# KiCad board jetson-agx-thor-baseboard.kicad_pcb (continued)
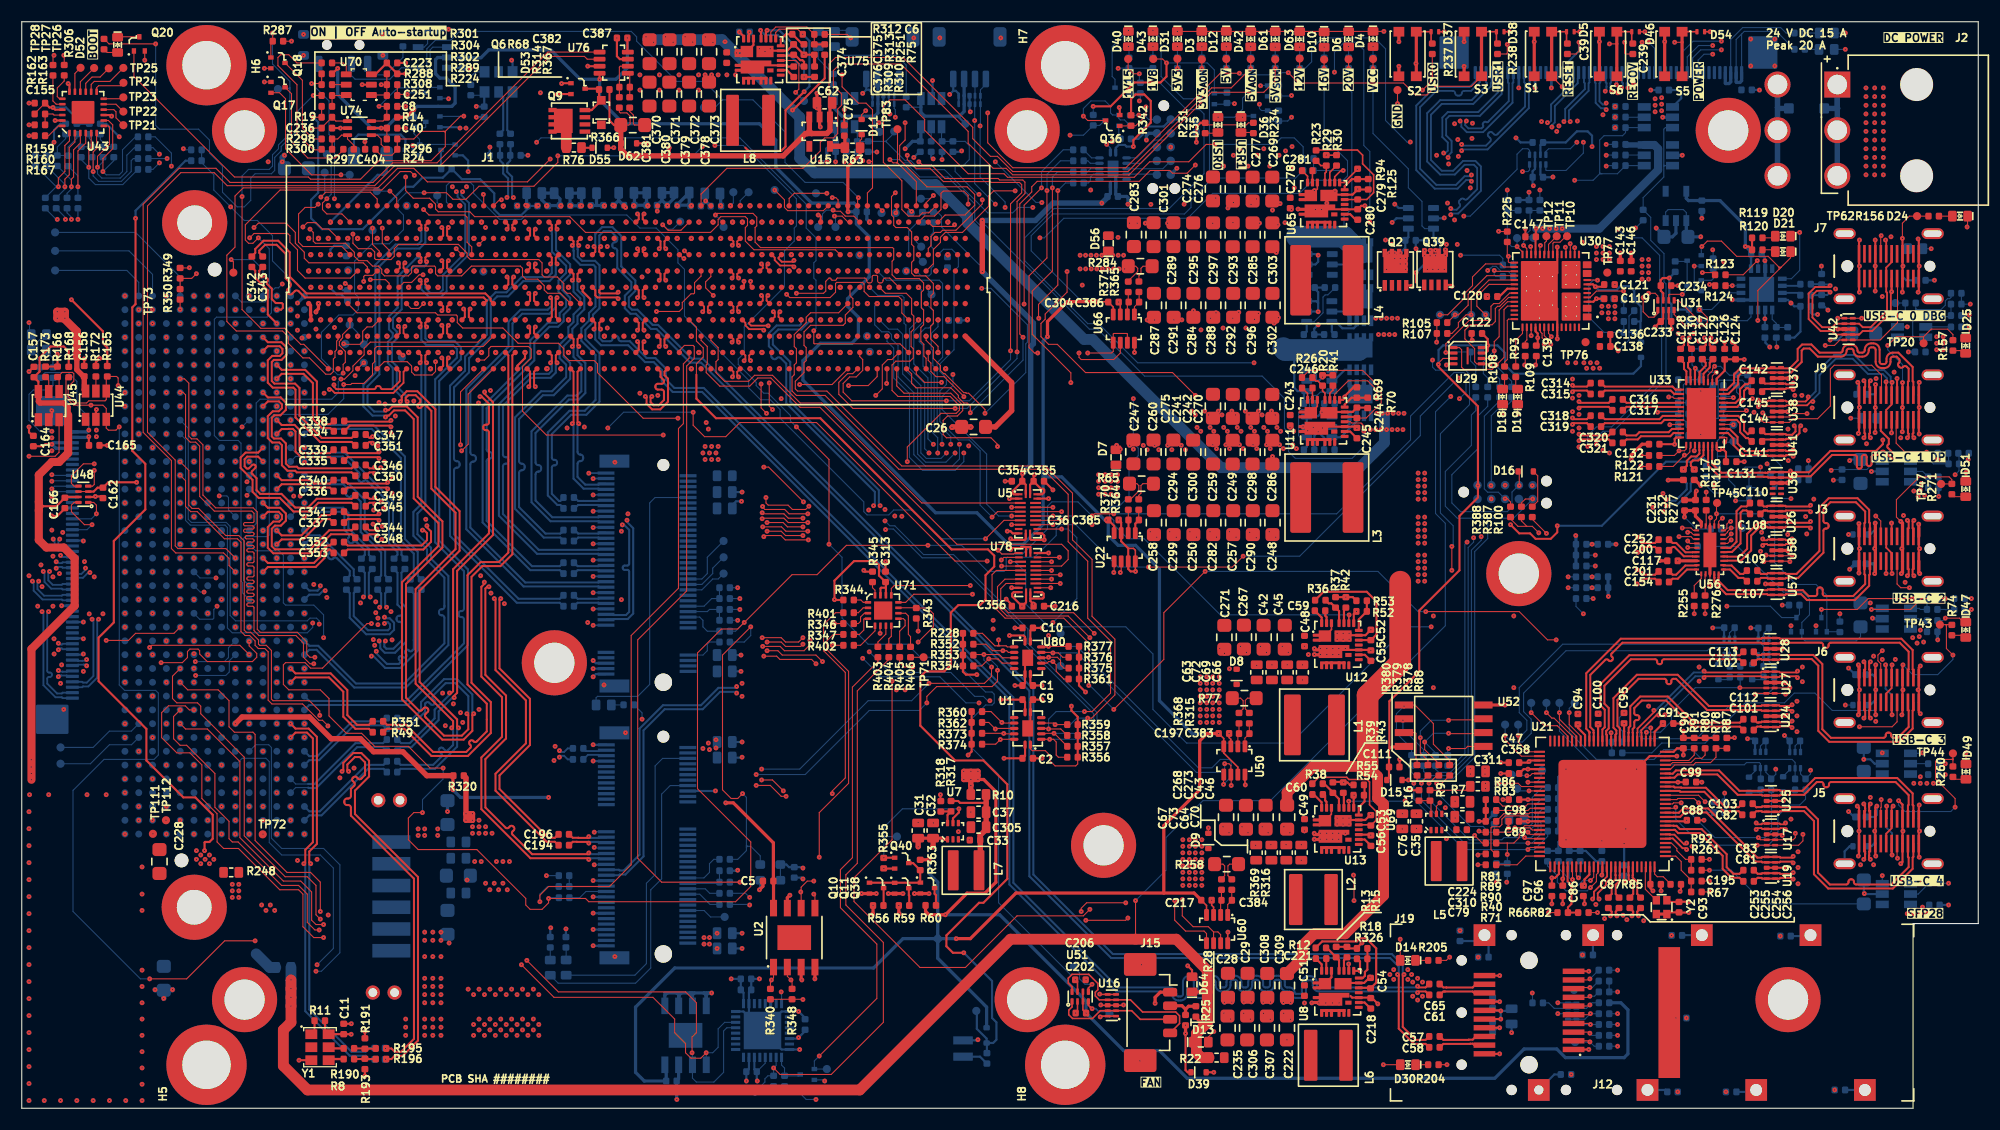
[diagram p0: board, top side]
## Routing (per net, layer and track width the routed paths; a pad name or vN(x,y) marks a point on that pad's centre or on a via; arc(x,y) is an arc through that point) (continued)
/SoM_Power/~{SOM_PRSNT}: length 43
  Top w0.1: Q18.1 22.92,98.04 R287.1 23.09,98.94 v1(23.07,98.96) ; J1.A3 25.95,70.31 25.67,70.31 24.19,71.79 21.99,71.79 20.27,73.51 v1(20.27,83.91)
  Bottom w0.1: 24.47,93.86 24.57,93.86 ; 24.47,93.86 24.67,93.86 ; 24.47,93.86 23.57,93.86 ; 24.57,93.86 24.67,93.76 ; 24.57,93.86 24.67,93.96 ; 24.67,93.96 24.67,94.51 23.07,96.11 v1(23.07,98.96) ; 24.67,93.96 24.67,93.86 ; 24.67,93.76 24.67,93.86 ; 24.67,93.76 24.67,89.71 23.62,88.66 23.62,88.31 23.07,87.76 23.07,86.71 22.77,86.41 20.87,86.41 20.27,85.81 v1(20.27,83.91)
/SoM_Power/~{SYS_RESET}: length 88.2
  Top w0.1: v1(79.87,87.31) 80.17,87.01 80.47,87.01 ; 80.57,87.11 80.57,87.01 ; 80.57,87.11 80.47,87.01 ; 80.57,87.11 TP83.1 ; 80.57,87.01 82.3,85.28 J1.L60 ; 80.57,87.01 80.47,87.01 ; S1.3 140.75,94.98 v1(141.72,94.01)
  Top w0.15: C39.2 142.12,98.07 D5.2 S1.4
  Top w0.3: S1.3 S1.4
  In5.Cu w0.1: v1(141.72,94.01) 140.27,92.56 132.72,92.56 130.42,90.26 123.82,90.26 122.72,89.16 109.27,89.16 108.82,88.71 108.82,85.91 105.57,82.66 98.02,82.66 96.94,83.74 93.34,83.74 93.02,83.41 v1(93.02,82.91)
  Bottom w0.1: v1(93.02,82.91) 91.67,82.91 91.17,82.41 88.87,82.41 84.89,86.39 82.32,86.39 81.69,87.01 81.04,87.01 80.74,87.31 v1(79.87,87.31)
/USB Debug, PD/DEBUG_SCL: length 26.1
  Top w0.1: U31.1 150.52,73.16 150.17,72.81 149.67,72.81 149.17,73.31 v1(149.17,74.61) ; U30.27 138.47,79.11 138.37,79.21 138.37,79.21 v1(138.17,79.41)
  In5.Cu w0.1: v1(149.17,74.61) 147.24,74.61 146.64,75.21 141.67,75.21 140.87,76.01 138.27,76.01 137.77,76.51 137.77,77.81 137.17,78.41 137.17,79.51 137.37,79.71 137.87,79.71 v1(138.17,79.41)
  Bottom w0.1: 138.37,80.21 138.37,79.96 138.17,79.76 v1(138.17,79.41) ; 138.37,80.21 138.37,80.41 138.77,80.81 138.77,82.53 R103.2 R111.2 ; 138.37,80.21 138.97,80.21 TP92.1
/USB Debug, PD/DEBUG_SDA: length 22.3
  Top w0.1: v1(137.57,79.31) 138.07,78.81 U30.28 ; v1(149.67,75.01) 150.27,75.01 150.52,74.76 U31.8
  In5.Cu w0.1: v1(149.67,75.01) 148.27,75.01 146.47,76.81 144.17,76.81 143.87,77.11 139.07,77.11 137.57,78.61 v1(137.57,79.31)
  Bottom w0.1: TP91.1 v1(137.57,79.31) 137.07,79.31 136.67,79.71 R112.2 R104.2
/USB Debug, PD/FTDI_3V3: length 54.8
  Top w0.2: v1(151.57,76.41) 150.97,76.41 150.79,76.23 C234.1 150.79,75.24 151.02,75.01 U31.7 ; v1(151.77,71.71) 151.75,71.73 C233.1 151.52,72.64 U31.3 ; v1(158.57,79.31) 158.89,79.31 R120.2 R119.2
  In5.Cu w0.3: 158.57,76.91 158.27,76.91 ; 158.57,76.91 158.57,77.21 ; 158.57,76.91 160.37,75.11 160.37,74.46 ; 158.27,76.91 158.57,77.21 ; 158.27,76.91 156.67,76.91 156.17,76.41 v1(151.57,76.41) ; 160.37,73.76 v1(160.37,72.66) ; 160.37,73.76 160.37,74.11 ; 160.37,73.76 160.72,74.11 ; 158.57,77.21 v1(158.57,79.31) ; 160.72,74.11 160.37,74.46 ; 160.72,74.11 160.92,74.11 ; 160.37,74.46 160.37,74.11 ; 160.37,74.11 160.92,74.11 ; 160.92,74.11 v1(162.77,74.11)
  Bottom w0.1: R113.2 153.39,72.5 R114.2
  Bottom w0.2: 151.77,73.51 151.77,73.71 ; 151.77,73.51 152.02,73.51 ; 151.77,73.51 151.77,73.31 ; 151.77,73.71 151.97,73.51 ; 151.77,73.71 151.77,74.01 151.57,74.21 v1(151.57,76.41) 152.12,76.96 R115.2 ; R145.1 163.09,70.93 163.64,71.48 C134.1 163.07,73.81 v1(162.77,74.11) 162.48,74.4 U34.8 ; 151.97,73.51 151.77,73.31 ; 151.97,73.51 152.02,73.51 ; 151.77,73.31 v1(151.77,71.71) ; U34.10 160.37,73.45 v1(160.37,72.66) C44.1 ; R113.2 152.02,73.51 ; U34.1 159.09,78.79 v1(158.57,79.31) 159.11,78.77 C133.1 159.09,78.6 U34.1
  Bottom w0.3: v1(158.57,79.31) 158.57,81.21 156.24,83.54 C135.2 153.34,83.54 153.14,83.74 U32.5
/USB Debug, PD/FTDI_CBUS0/SDA: length 8.7
  Top w0.1: U31.5 152.42,74.36 154.27,72.51 v1(154.37,72.51)
  Bottom w0.1: R114.1 158.74,72.49 159.09,72.84 U34.12
/USB Debug, PD/FTDI_CBUS3/SCL: length 10
  Top w0.1: v1(154.35,73.51) 155.07,72.79 155.07,72.31 154.77,72.01 153.07,72.01 152.02,73.06 U31.4
  Bottom w0.1: v1(154.35,73.51) 155.47,73.51 157,75.05 U34.14
/USB Debug, PD/FTDI_CBUS_EN: length 6.2
  Top w0.1: U31.6 151.52,74.86 151.57,74.91 v1(152.77,74.91)
  Bottom w0.1: v1(152.77,74.91) 153.22,75.36 Q3.3 153.22,78.01 Q12.3 153.15,77.94 R115.1
/USB Debug, PD/FTDI_LED_RX: length 18.2
  Top w0.1: 161.77,77.31 161.87,77.41 ; 161.77,77.31 161.67,77.21 ; 161.77,77.31 161.67,77.41 ; 161.87,77.41 162.73,78.27 D21.1 ; 161.87,77.41 161.67,77.41 ; v1(159.72,72.51) 159.72,75.26 161.67,77.21 ; 161.67,77.41 161.67,77.21 ; 161.67,77.41 160.67,78.41 157.77,78.41 156.37,79.81 155.07,79.81 v1(154.57,79.31)
  Bottom w0.1: Q12.1 154.52,79.26 v1(154.57,79.31) ; U34.11 159.74,72.54 v1(159.72,72.51)
/USB Debug, PD/FTDI_LED_TX: length 6.6
  Top w0.1: D20.1 162.73,80.57 162.77,80.61 v1(163.57,80.61)
  Bottom w0.1: v1(163.57,80.61) 163.57,77.11 162.8,76.35 161.97,76.35
/USB Debug, PD/MISO: length 52.3
  Top w0.1: R387.1 137.97,55.71 138.33,56.08 v1(139.01,56.08) 138.97,56.04
  Bottom w0.1: 134.87,54.21 134.87,52.44 133.67,51.24 133.67,32.31 131.67,30.31 128.47,30.31 127.87,30.91 R386.1 ; 134.87,54.21 134.87,54.31 ; 134.87,54.21 134.97,54.31 ; 134.87,54.21 134.77,54.31 ; R384.1 133.77,64.21 133.37,63.81 133.37,61.01 130.97,58.61 130.97,55.41 132.07,54.31 134.77,54.31 ; 134.87,54.31 134.77,54.31 ; 134.87,54.31 134.97,54.31 ; 134.97,54.31 137.24,54.31 v1(139.01,56.08)
/USB Debug, PD/MOSI: length 41.5
  Top w0.1: v1(136.47,56.11) 136.67,56.11 136.97,55.81 R388.1
  In5.Cu w0.1: v1(136.47,56.11) 136.47,56.01 133.57,53.11 v1(133.57,52.51)
  Bottom w0.1: R101.1 130.07,31.21 130.37,30.91 131.42,30.91 133.07,32.56 133.07,51.61 133.57,52.11 v1(133.57,52.51) ; J4.8 135.84,56.7 134.86,56.7 134.56,57 134.56,63.7 135.97,65.11 R382.1
/USB Debug, PD/PDC_ADCIN1: length 5.1
  Top w0.1: U30.6 144.29,74.63 144.87,75.21 v1(147.37,75.21)
  Bottom w0.1: v1(147.37,75.21) 147.39,75.19 147.39,73.71
/USB Debug, PD/PDC_ADCIN2: length 9.7
  Top w0.1: U30.10 144.95,76.23 v1(144.97,76.21)
  Bottom w0.1: R96.2 R97.2 145.57,71.41 144.17,72.81 144.17,75.81 144.57,76.21 v1(144.97,76.21)
/USB Debug, PD/PDC_GPIO14: length 5
  Top w0.1: U30.42 136.79,72.63 136.67,72.51 136.67,68.91 136.42,68.66 R108.1
/USB Debug, PD/PDC_GPIO15: length 3.9
  Top w0.1: U30.43 138.07,71.31 137.45,70.69 R109.1
/USB Debug, PD/PDC_HPD2: length 3.1
  Top w0.1: U30.31 135.55,77.03 v1(135.47,77.11)
  Bottom w0.1: R106.2 135.63,76.55 135.47,76.71 v1(135.47,77.11)
/USB Debug, PD/PDC_I2C1_IRQn: length 3.6
  Top w0.1: U30.29 136.85,77.83 136.77,77.91 v1(136.77,78.41) 136.67,78.51 R225.2
  Bottom w0.1: v1(136.77,78.41) 137.12,78.41 137.22,78.31 R110.2
/USB Debug, PD/PDC_I2C2_IRQn: length 5.9
  Top w0.1: U30.34 134.99,75.83 133.87,74.71 133.87,73.83 v1(134.67,73.03)
/USB Debug, PD/PDC_I2C2_SCL: length 8.5
  Top w0.1: U30.32 134.79,76.63 133.07,74.91 133.07,73.91 132.19,73.03 v1(131.87,73.03) 131.15,72.31 R105.2
/USB Debug, PD/PDC_I2C2_SDA: length 9.4
  Top w0.1: R107.2 131.57,71.31 132.17,71.91 132.17,72.31 132.89,73.03 v1(133.35,73.03) 133.35,74.59 134.99,76.23 U30.33
/USB Debug, PD/PDC_I2C3_SCL: length 2.6
  Top w0.1: U30.21 140.87,79.61 140.97,79.71 141.52,79.71 142.07,80.26 TP10.1
/USB Debug, PD/PDC_I2C3_SDA: length 2
  Top w0.1: U30.22 140.47,79.51 TP11.1
/USB Debug, PD/PDC_LDO_1V8: length 1.9
  Top w0.2: U30.35 136.67,75.43 135.95,74.71 C120.2
/USB Debug, PD/PDC_LDO_3V3: length 11.4
  Top w0.2: U30.9 144.55,75.83 v1(144.77,75.61) 145.39,75.61 C121.2
  Bottom w0.2: v1(144.77,75.61) 145.07,75.31 146.72,75.31 147.07,75.66 147.92,75.66 148.35,75.23 R95.1 148.97,73.79 148.97,72.46 148.92,72.41 ; D17.2 148.92,70.56 148.92,72.41 ; 148.92,72.41 R96.1
/USB Debug, PD/PDC_MISO: length 16.1
  Top w0.1: U30.36 136.89,75.03 135.92,74.06 135.42,74.06 135.17,73.81 135.17,72.61 135.07,72.51 133.17,72.51 131.02,70.36 v1(131.02,69.56) ; 131.07,69.51 U29.2
  Bottom w0.1: v1(131.02,69.56) 131.07,69.61 R98.1 133.29,68.79 133.77,68.31 R384.2
/USB Debug, PD/PDC_MOSI: length 13.7
  Top w0.1: v1(135.07,68.41) 134.97,68.51 U29.5 133.87,68.51 133.67,68.71 133.67,69.91 132.77,70.81 132.77,71.61 133.27,72.11 135.27,72.11 135.57,72.41 135.57,73.61 135.77,73.81 135.97,73.81 136.79,74.63 U30.37
  Bottom w0.1: v1(135.07,68.41) 135.07,68.01 135.97,67.11 R382.2
/USB Debug, PD/PDC_RESET: length 1.8
  Top w0.1: U30.44 138.47,70.71 138.32,70.56 R93.2
/USB Debug, PD/PDC_SCLK: length 11.4
  Top w0.1: U30.38 136.69,74.23 135.92,73.46 135.92,71.01 135.47,70.56 v1(135.47,69.71) 135.47,69.11 135.37,69.01 U29.6
  Bottom w0.1: R383.2 134.87,67.21 134.47,67.61 134.47,68.71 v1(135.47,69.71)
/USB Debug, PD/SCK: length 53.3
  Top w0.1: v1(137.77,57.31) 137.77,58.51 D16.1
  In5.Cu w0.1: v1(134.27,52.61) 137.77,56.11 v1(137.77,57.31)
  Bottom w0.1: v1(134.27,52.61) 134.27,52.26 133.37,51.36 133.37,32.43 131.55,30.61 129.37,30.61 128.97,31.01 R385.1 ; R383.1 134.87,64.61 133.97,63.71 133.97,60.71 131.57,58.31 131.57,55.71 132.37,54.91 136.67,54.91 137.1,55.35 137.1,56.71 J4.4
/USB Debug, PD/SPI_{HUB_DEBUG}.MISO: length 13.2
  Top w0.1: R88.2 131.37,32.01 129.87,33.51 129.87,35.41 128.17,37.11 127.16,37.11 U52.5
  Bottom w0.1: R386.2 127.87,33.11 126.47,34.51 126.47,36.31 v1(127.17,37.01)
/USB Debug, PD/SPI_{HUB_DEBUG}.MOSI: length 10.1
  Top w0.1: 129.07,33.71 v1(129.07,33.71) 129.07,33.01 130.37,31.71 R378.2 ; v1(131.27,34.51) 131.3,34.48 134.37,34.48 U52.2
  Bottom w0.1: v1(131.27,34.51) 129.87,34.51 v1(129.07,33.71) 130.07,32.71 R101.2
/USB Debug, PD/SPI_{HUB_DEBUG}.SCK: length 21.7
  Top w0.1: v1(127.07,35.71) 127.17,35.81 U52.6 ; v1(134.07,25.51) 134.17,25.41 R89.2
  In5.Cu w0.1: v1(134.07,25.51) 132.47,27.11 132.47,35.91 132.07,36.31 127.67,36.31 v1(127.07,35.71)
  Bottom w0.1: R385.2 128.97,33.01 127.07,34.91 v1(127.07,35.71)
/USB Debug, PD/SPI_{HUB_DEBUG}.~{CS0}: length 14.2
  Top w0.1: U52.1 133.02,33.31 132.82,33.11 v1(131.27,33.11) ; v1(133.67,25.11) 134.37,24.41 R90.2
  In5.Cu w0.1: v1(133.67,25.11) 132.27,26.51 132.27,30.31 131.27,31.31 v1(131.27,33.11)
  Bottom w0.1: R99.2 131.19,33.03 v1(131.27,33.11)
/USB Debug, PD/USB_FTDI_N: length 1.7
  Bottom w0.17: U34.7 163.41,75.05 R148.1
/USB Debug, PD/USB_FTDI_P: length 1.7
  Bottom w0.17: U34.6 163.49,75.7 R147.1
/USB Debug, PD/USBC0_5V_PEN: length 45.5
  Top w0.1: v1(140.67,70.31) 140.37,70.61 140.37,70.81 140.07,71.11 U30.48
  In5.Cu w0.1: v1(179.27,74.01) 177.87,74.01 175.17,71.31 169.07,71.31 165.97,68.21 157.47,68.21 156.97,68.71 148.97,68.71 147.37,70.31 v1(140.67,70.31)
  Bottom w0.1: R149.1 R151.1 v1(179.27,74.01)
/USB Debug, PD/USBC0_CC1: length 44.7
  Top w0.1: v1(167.07,72.71) U42.1 U42.10 v1(169.27,72.71) ; U30.24 139.67,79.36 v1(139.72,79.41) ; J7.A5 171.03,80.27 v1(171.07,80.31)
  In5.Cu w0.1: v1(139.72,79.41) 140.32,78.81 143.29,78.81 144.59,77.51 146.77,77.51 148.47,75.81 150.47,75.81 152.47,73.81 153.57,73.81 154.17,74.41 155.07,74.41 157.97,71.51 165.27,71.51 166.47,72.71 v1(167.07,72.71)
  In7.Cu w0.1: v1(171.07,80.31) 171.07,75.21 169.27,73.41 v1(169.27,72.71)
/USB Debug, PD/USBC0_CC2: length 43.7
  Top w0.1: v1(165.92,70.21) 166.77,70.21 167.27,70.71 U42.5 U42.6 170.97,70.71 172.57,72.31 172.57,76.32 J7.B5 ; 138.87,78.58 138.87,79.26 v1(138.82,79.31)
  In5.Cu w0.1: v1(165.92,70.21) 164.92,71.21 157.85,71.21 154.95,74.11 154.29,74.11 153.69,73.51 152.35,73.51 150.35,75.51 148.35,75.51 146.65,77.21 144.47,77.21 143.17,78.51 139.62,78.51 v1(138.82,79.31)
/USB Debug, PD/USBC0_D_N: length 19.4
  Top w0.17: J7.A7 172.03,77.87 171.53,77.37 J7.B7 171.53,75.14 171.6,75.07 171.6,73.39 170.1,71.89 169.37,71.89 169.04,72.21 U42.9 U42.2 166.89,72.21 166.57,71.89 165.64,71.89 164.74,72.78 164.74,74.84 165.14,75.24 166.24,75.24 v1(166.37,75.11)
  Bottom w0.17: R148.2 165.57,74.83 165.59,74.86 166.11,74.86 v1(166.37,75.11)
/USB Debug, PD/USBC0_D_P: length 26.1
  Top w0.17: J7.A6 171.53,79.85 v1(171.47,79.91) ; v1(172.03,75.15) J7.B6 172.03,75.14 171.96,75.07 171.96,73.25 170.24,71.54 169.37,71.54 169.04,71.21 168.97,71.21 168.97,71.21 U42.7 U42.4 167.68,71.21 166.89,71.21 166.57,71.54 165.5,71.54 164.39,72.64 164.39,74.98 165,75.59 166.24,75.59 v1(166.37,75.71)
  In7.Cu w0.125: v1(172.03,75.15) 172.07,75.19 172.07,76.91 171.47,77.51 v1(171.47,79.91)
  Bottom w0.17: v1(166.37,75.71) 166.26,75.82 C150.1 165.57,75.85 R147.2
/USB Debug, PD/USBC0_FLG: length 2.6
  Bottom w0.1: U40.3 172.82,72.86 173.29,73.33 R150.1 TP19.1
/USB Debug, PD/USBC0_ISET: length 2.3
  Bottom w0.1: U40.5 177.49,71.91 R153.2
/USB Debug, PD/USBC0_VBUS: length 23.7
  Top w0.1: R156.2 TP62.1 173.67,82.11 173.02,81.46 v1(173.02,80.06)
  Top w0.2: v1(170.52,79.91) 170.53,79.9 J7.A4 170.53,77.52 v1(170.52,77.51) 170.53,77.5 J7.B9 170.53,75.22 v1(170.52,75.21) ; v1(173.02,80.06) 173.03,80.05 J7.A9 173.03,77.55 v1(173.07,77.51) 173.03,77.47 J7.B4 173.03,75.12 v1(173.02,75.11)
  Bottom w0.1: v1(173.02,80.06) 173.02,79.36 173.27,79.11 D23.1 ; U32.1 153.14,82.44 152.87,82.71 151.47,82.71 151.24,82.48 U32.3
  Bottom w0.2: v1(173.07,77.51) 173.07,76.51 173.38,76.2 C152.1
  Bottom w0.3: v1(154.47,80.21) 154.46,80.2 C123.1 153.14,80.35 U32.1
  vias: v1(144.87,79.31) v1(144.87,78.71) v1(144.87,78.11) v1(145.47,79.31) v1(145.47,78.71) v1(145.47,78.11) v1(146.07,79.31) v1(146.07,78.71) v1(146.07,78.11)
/USB Debug, PD/~{CS}: length 36.8
  In5.Cu w0.1: v1(135.17,57.31) 132.97,55.11 v1(132.97,52.11)
  Bottom w0.1: J4.2 135.2,63.74 135.97,64.51 136.47,64.51 137.07,65.11 R381.1 ; R99.1 131.62,31.53 132.77,32.68 132.77,51.91 v1(132.97,52.11)
/USB Debug, PD/~{PDC_CS}: length 14.9
  Top w0.1: U29.1 132.27,70.01 132.47,69.81 132.47,68.21 132.67,68.01 135.27,68.01 v1(135.67,68.41) 136.37,69.11 136.37,73.51 136.69,73.83 U30.39
  Bottom w0.1: R381.2 137.07,66.91 135.67,68.31 v1(135.67,68.41)
/USB Debug, PD/~{PDC_I2C3_IRQ}: length 1.8
  Top w0.1: U30.23 140.12,78.63 140.12,79.66 140.27,79.81 TP12.1
/USB DP Alt mode/HPDIN: length 14
  Top w0.1: U33.32 157.44,62.94 v1(157.47,62.91)
  Bottom w0.1: v1(157.47,62.91) 156,61.44 156,60.01 ; R227.2 156,60.01 ; 156,60.01 160.97,60.01 161.85,59.13 R272.1 161.85,57.72 Q34.1
/USB DP Alt mode/USBC1_5V_PEN: length 52.7
  Top w0.1: U30.49 140.47,71.31 140.72,71.06 v1(140.72,71.01)
  In5.Cu w0.1: v1(177.87,58.31) 172.67,58.31 170.97,60.01 164.97,60.01 163.17,61.81 157.17,61.81 154.27,64.71 148.97,64.71 146.13,67.55 146.13,68.12 145.14,69.11 139.27,69.11 138.07,70.31 138.07,71.61 138.37,71.91 139.82,71.91 v1(140.72,71.01)
  Bottom w0.1: R142.1 178.23,60.23 R143.1 178.23,58.67 v1(177.87,58.31)
/USB DP Alt mode/USBC1_CC1: length 44.3
  Top w0.1: J9.A5 171.09,65.7 171.09,67.49 170.19,68.39 166.74,68.39 166.39,68.04 166.39,64.64 165.22,63.46 162.97,63.46 162.63,63.13 160.25,63.13 v1(159.97,63.41) ; 138.87,71.88 v1(138.87,71.11)
  In5.Cu w0.1: v1(138.87,71.11) 138.87,70.41 139.77,69.51 145.2,69.51 148.2,66.51 157.1,66.51 157.87,65.74 157.87,63.84 158.39,63.33 159.89,63.33 v1(159.97,63.41)
/USB DP Alt mode/USBC1_CC2: length 49
  Top w0.1: v1(175.24,60.39) 173.27,60.39 172.44,61.21 172.44,63.28 J9.B5 ; v1(140.07,70.31) 140.07,70.71 139.87,70.91 139.87,71.31 139.72,71.46 139.72,71.83 U30.47 ; v1(160.17,64.01) 160.55,63.63 162.66,63.63 162.97,63.94 v1(164.24,63.94)
  In5.Cu w0.1: v1(140.07,70.31) 140.07,70.11 140.27,69.91 145.37,69.91 148.37,66.91 157.27,66.91 158.27,65.91 158.27,64.01 158.67,63.61 159.57,63.61 159.77,63.81 159.97,63.81 v1(160.17,64.01) ; v1(164.24,63.94) 164.94,63.24 164.94,61.86 166.42,60.39 v1(175.24,60.39)
/USB DP Alt mode/USBC1_CONN_TX1_N: length 20.9
  Top w0.19: v1(163.07,62.81) 163.18,62.7 163.18,62.29 162.88,61.98 162.34,61.98 162.27,62.05 U41.5 U41.6 160.42,62.05 C144.2 ; J9.A3 170.03,66.33 169.97,66.39 169.97,66.85 v1(170.08,66.96)
  In7.Cu w0.15: v1(163.07,62.81) 163.23,62.97 163.23,64.35 161.73,65.85 161.73,67.37 163.21,68.85 169.23,68.85 169.92,68.16 169.92,67.12 v1(170.08,66.96)
/USB DP Alt mode/USBC1_CONN_TX1_P: length 20.9
  Top w0.19: v1(163.67,62.81) 163.55,62.7 163.55,62.13 163.03,61.61 162.34,61.61 162.27,61.55 U41.4 U41.7 160.29,61.55 C141.2 ; J9.A2 169.53,66.33 169.59,66.39 169.59,66.85 v1(169.48,66.96)
  In7.Cu w0.15: v1(169.48,66.96) 169.64,67.12 169.64,68.04 169.11,68.57 165.02,68.57 arc(164.93,68.53) 164.89,68.44 arc(164.85,68.35) 164.76,68.31 164.67,68.31 arc(164.58,68.35) 164.54,68.44 arc(164.5,68.53) 164.41,68.57 163.33,68.57 162.01,67.25 162.01,65.97 163.51,64.47 163.51,62.97 v1(163.67,62.81)
/USB DP Alt mode/USBC1_CONN_TX2_N: length 20.8
  Top w0.19: v1(162.97,66.15) 162.85,66.26 162.34,66.26 162.27,66.2 U37.1 U37.10 160.35,66.2 C145.2 ; J9.B3 173.53,62.14 173.59,62.08 173.59,61.83 v1(173.48,61.71)
  In7.Cu w0.15: v1(162.97,66.15) 163.13,66.31 164.46,66.31 arc(164.51,66.29) 164.52,66.25 arc(164.62,66.01) 164.86,65.91 165.31,65.91 arc(165.55,66.01) 165.65,66.25 165.65,66.69 arc(165.68,66.76) 165.75,66.79 166.02,66.79 arc(166.09,66.76) 166.12,66.69 arc(166.23,66.42) 166.5,66.31 167.37,66.31 167.91,65.77 169.6,65.77 arc(169.7,65.73) 169.74,65.63 169.74,65.56 arc(169.78,65.47) 169.88,65.42 169.95,65.42 arc(170.05,65.47) 170.09,65.56 170.09,65.63 arc(170.13,65.73) 170.23,65.77 172.48,65.77 173.64,64.61 173.64,61.87 v1(173.48,61.71)
/USB DP Alt mode/USBC1_CONN_TX2_P: length 20.8
  Top w0.19: v1(174.08,61.71) 173.97,61.83 173.97,62.08 174.03,62.14 J9.B2 ; v1(162.97,66.75) 162.85,66.63 162.34,66.63 162.27,66.7 U37.2 U37.9 160.38,66.7 C142.2
  In7.Cu w0.15: v1(162.97,66.75) 163.13,66.59 164.46,66.59 arc(164.7,66.49) 164.8,66.25 arc(164.82,66.2) 164.86,66.19 165.31,66.19 arc(165.36,66.2) 165.37,66.25 165.37,66.69 arc(165.48,66.96) 165.75,67.07 166.02,67.07 arc(166.29,66.96) 166.4,66.69 arc(166.43,66.62) 166.5,66.59 167.49,66.59 168.03,66.05 172.6,66.05 173.92,64.73 173.92,61.87 v1(174.08,61.71)
/USB DP Alt mode/USBC1_CTL0: length 43.6
  Top w0.1: U30.17 142.47,79.56 v1(142.46,79.57) ; R121.1 151.93,59.07 v1(152.97,60.11) 153.17,60.11 153.47,60.41 153.47,60.71 153.54,60.78 U33.22
  In5.Cu w0.1: v1(142.46,79.57) 142.46,79.72 141.97,80.21 136.95,80.21 135.87,79.13 135.87,78.09 137.07,76.89 137.07,68.69 137.95,67.81 143.05,67.81 148.65,62.21 152.27,62.21 152.97,61.51 v1(152.97,60.11)
/USB DP Alt mode/USBC1_CTL1: length 39.2
  Top w0.1: v1(142.01,79.25) 142.07,79.19 U30.18 ; v1(153.87,60.51) 153.94,60.58 U33.23
  In5.Cu w0.1: v1(142.01,79.25) 142.07,79.3 142.07,79.31 141.47,79.91 137.07,79.91 136.17,79.01 136.17,78.21 137.37,77.01 137.37,68.81 137.89,68.29 137.89,68.25 138.11,68.03 138.43,68.03 138.5,68.11 139.04,68.11 139.11,68.03 139.43,68.03 139.5,68.11 143.17,68.11 148.77,62.51 152.87,62.51 153.87,61.51 v1(153.87,60.51)
/USB DP Alt mode/USBC1_DPEQ0: length 5.2
  Top w0.1: v1(150.49,64.06) 150.57,64.14 U33.14
  Bottom w0.1: v1(150.49,64.06) 152.24,64.06 R135.1 R134.1
/USB DP Alt mode/USBC1_DPEQ1: length 4.2
  Top w0.1: v1(155.89,67.74) 155.87,67.74 155.53,67.4 U33.2
  Bottom w0.1: R137.1 R136.1 154.57,68.41 155.24,67.74 v1(155.89,67.74)
/USB DP Alt mode/USBC1_EQ0: length 3
  Top w0.1: U33.38 157.4,65.34 v1(157.47,65.41)
  Bottom w0.1: v1(157.47,65.41) 157.37,65.51 R138.1 R139.1
/USB DP Alt mode/USBC1_EQ1: length 5.5
  Top w0.1: U33.35 158.6,64.14 v1(158.67,64.21)
  Bottom w0.1: R140.1 R141.1 158.37,64.51 v1(158.67,64.21)
/USB DP Alt mode/USBC1_FLIP: length 43.4
  Top w0.1: U33.21 153.14,60.68 152.97,60.51 v1(152.47,60.51) 152.04,60.08 R122.1 ; v1(142.87,79.21) U30.16
  In5.Cu w0.1: v1(142.87,79.21) 142.87,80.11 142.47,80.51 136.82,80.51 135.57,79.26 135.57,77.96 136.77,76.76 136.77,68.56 137.82,67.51 142.92,67.51 148.52,61.91 151.97,61.91 152.47,61.41 v1(152.47,60.51)
/USB DP Alt mode/USBC1_I2C_EN: length 2.8
  Top w0.1: v1(151.62,62.91) 151.65,62.94 U33.17
  Bottom w0.1: R129.1 R128.1 152.37,62.91 v1(151.62,62.91)
/USB DP Alt mode/USBC1_RX1_N: length 24.8
  Top w0.19: v1(162.97,60.6) 162.85,60.49 162.34,60.49 162.27,60.55 U41.2 U41.9 160.67,60.55 160.61,60.49 158.56,60.49 157.85,61.19 157.85,61.79 157.12,62.52 156.9,62.52 156.88,62.54 U33.31 ; J9.B10 170.03,62.14 169.97,62.08 169.97,61.83 v1(170.08,61.71)
  In7.Cu w0.15: v1(162.97,60.6) 163.13,60.44 163.7,60.44 164.38,61.12 164.38,61.67 165.71,63 165.83,63 arc(165.91,63.03) 165.95,63.12 165.95,65.09 arc(166.07,65.37) 166.35,65.48 166.48,65.48 arc(166.76,65.37) 166.87,65.09 166.87,62.58 arc(166.91,62.5) 167,62.46 167.13,62.46 arc(167.21,62.5) 167.25,62.58 167.25,62.6 arc(167.37,62.88) 167.65,63 167.78,63 arc(168.03,62.89) 168.13,62.64 arc(168.16,62.59) 168.21,62.56 168.43,62.56 arc(168.48,62.59) 168.51,62.64 arc(168.61,62.89) 168.86,63 169.28,63 169.92,62.36 169.92,61.87 v1(170.08,61.71)
/USB DP Alt mode/USBC1_RX1_P: length 24.8
  Top w0.19: v1(169.48,61.71) 169.59,61.83 169.59,62.08 169.53,62.14 J9.B11 ; U33.30 156.88,62.14 156.9,62.15 156.96,62.15 157.48,61.63 157.48,61.03 158.4,60.12 160.61,60.12 160.67,60.05 U41.10 U41.1 162.27,60.05 162.34,60.12 162.85,60.12 v1(162.97,60)
  In7.Cu w0.15: v1(162.97,60) 163.13,60.16 163.82,60.16 164.66,61 164.66,61.55 164.77,61.66 arc(164.87,61.7) 164.96,61.66 165.01,61.61 arc(165.11,61.57) 165.21,61.61 165.26,61.66 arc(165.3,61.76) 165.26,61.86 165.21,61.91 arc(165.17,62.01) 165.21,62.11 165.83,62.72 arc(166.11,62.84) 166.22,63.12 166.22,65.09 arc(166.26,65.17) 166.35,65.21 166.48,65.21 arc(166.56,65.17) 166.6,65.09 166.6,62.58 arc(166.72,62.3) 167,62.19 167.13,62.19 arc(167.41,62.3) 167.52,62.58 167.52,62.6 arc(167.56,62.69) 167.65,62.72 167.78,62.72 arc(167.83,62.7) 167.86,62.64 arc(167.96,62.39) 168.21,62.29 168.43,62.29 arc(168.68,62.39) 168.78,62.64 arc(168.81,62.7) 168.86,62.72 169.16,62.72 169.64,62.24 169.64,61.87 v1(169.48,61.71)
/USB DP Alt mode/USBC1_RX2_N: length 27.4
  Top w0.19: U33.39 156.63,65.74 156.65,65.75 157.02,65.75 157.9,66.63 157.9,67.38 158.25,67.73 162.8,67.73 163.75,68.68 163.75,69.73 163.95,69.93 164.49,69.93 165.24,69.18 167.34,69.18 arc(167.73,69.34) 167.89,69.72 arc(167.94,69.85) 168.07,69.9 168.34,69.9 arc(168.47,69.85) 168.52,69.72 arc(168.68,69.34) 169.07,69.18 169.34,69.18 arc(169.76,69.35) 169.93,69.76 169.93,69.81 arc(169.99,69.97) 170.14,70.03 170.34,70.03 arc(170.49,69.97) 170.56,69.81 170.56,68.71 arc(170.73,68.29) 171.14,68.12 171.34,68.12 arc(171.76,68.29) 171.93,68.71 171.93,68.96 arc(171.99,69.11) 172.14,69.18 172.49,69.18 172.72,68.95 arc(172.78,68.8) 172.72,68.64 172.68,68.6 arc(172.61,68.44) 172.68,68.29 172.76,68.21 arc(172.91,68.15) 173.07,68.21 173.11,68.25 arc(173.26,68.32) 173.42,68.25 173.59,68.07 173.59,66.92 173.53,66.86 J9.A10
/USB DP Alt mode/USBC1_RX2_P: length 27.4
  Top w0.19: J9.A11 174.03,66.86 173.97,66.92 173.97,68.23 172.65,69.55 172.14,69.55 arc(171.73,69.37) 171.56,68.96 171.56,68.71 arc(171.49,68.55) 171.34,68.49 171.14,68.49 arc(170.99,68.55) 170.93,68.71 170.93,69.81 arc(170.76,70.23) 170.34,70.4 170.14,70.4 arc(169.73,70.23) 169.56,69.81 169.56,69.76 arc(169.49,69.61) 169.34,69.55 169.07,69.55 arc(168.94,69.6) 168.89,69.72 arc(168.73,70.11) 168.34,70.27 168.07,70.27 arc(167.68,70.11) 167.52,69.72 arc(167.47,69.6) 167.34,69.55 165.4,69.55 164.65,70.3 163.79,70.3 163.38,69.89 163.38,68.84 162.64,68.1 158.09,68.1 157.53,67.54 157.53,66.79 156.87,66.12 156.65,66.12 156.63,66.14 U33.40
/USB DP Alt mode/USBC1_SBU_N: length 28.5
  Top w0.19: v1(172.53,67.17) J9.A8 ; U33.27 155.53,60.59 155.52,60.57 155.52,59.32 156.35,58.5 160.41,58.5 160.42,58.48 160.61,58.48 160.67,58.55 U36.1 U36.10 162.62,58.55 v1(162.72,58.65) 162.83,58.54 164.43,58.54 166.39,60.5 170.59,60.5 171.22,61.12 v1(171.22,61.51)
  In2.Cu w0.15: v1(171.22,61.51) 171.32,61.61 172.17,61.61 172.47,61.91 172.47,66.31 172.53,66.37 v1(172.53,67.17)
  Bottom w0.19: v1(162.72,58.65) 162.83,58.54 163.09,58.54 163.41,58.86 R154.1
/USB DP Alt mode/USBC1_SBU_P: length 29.8
  Top w0.19: U33.26 155.13,60.59 155.15,60.57 155.15,59.17 156.19,58.13 160.27,58.13 160.28,58.11 160.61,58.11 160.67,58.05 U36.2 U36.9 162.72,58.05 v1(162.72,58.05) 162.83,58.17 164.59,58.17 166.55,60.13 168.65,60.13 arc(168.78,60.07) 168.83,59.95 168.83,59.05 arc(168.89,58.92) 169.01,58.87 169.1,58.87 arc(169.23,58.92) 169.28,59.05 169.28,59.95 arc(169.34,60.07) 169.46,60.13 169.55,60.13 arc(169.68,60.07) 169.73,59.95 169.73,59.3 arc(169.79,59.17) 169.91,59.12 170,59.12 arc(170.13,59.17) 170.18,59.3 170.18,59.95 arc(170.24,60.07) 170.36,60.13 170.75,60.13 171.1,60.48 arc(171.23,60.53) 171.35,60.48 171.99,59.84 arc(172.12,59.79) 172.24,59.84 172.31,59.91 arc(172.36,60.04) 172.31,60.16 171.67,60.8 arc(171.62,60.92) 171.67,61.05 171.77,61.15 171.77,61.61 171.03,62.35 J9.B8
  Bottom w0.19: R155.1 163.41,57.84 163.09,58.17 162.83,58.17 v1(162.72,58.05)
/USB DP Alt mode/USBC1_SSEQ0: length 3.3
  Top w0.1: v1(151.52,65.46) 151.9,65.46 152.02,65.34 U33.11
  Bottom w0.1: R130.1 R131.1 151.84,65.46 v1(151.52,65.46)
/USB DP Alt mode/USBC1_SSEQ1: length 5.1
  Top w0.1: U33.3 155.13,67.47 155.56,67.9 155.56,68.1 v1(155.74,68.29)
  Bottom w0.1: R132.1 157.11,67.47 156.29,68.29 v1(155.74,68.29)
/USB DP Alt mode/USBC1_TX1_N: length 4
  Top w0.19: C144.1 159.13,62.35 158.83,62.05 158.79,62.05 158.45,62.39 158.45,63.19 157.92,63.72 156.9,63.72 156.88,63.74 U33.34
/USB DP Alt mode/USBC1_TX1_P: length 4
  Top w0.19: U33.33 156.88,63.34 156.9,63.35 157.76,63.35 158.08,63.03 158.08,62.23 158.64,61.68 158.83,61.68 159.13,61.37 C141.1
/USB DP Alt mode/USBC1_TX2_N: length 4.1
  Top w0.19: C145.1 159.13,65.96 158.81,66.28 158.7,66.28 158.45,66.03 158.45,65.18 157.82,64.55 156.9,64.55 156.88,64.54 U33.36
